# Altium PCB RaspberryHatBoard1.PcbDoc (part 1 of 3) (continued)
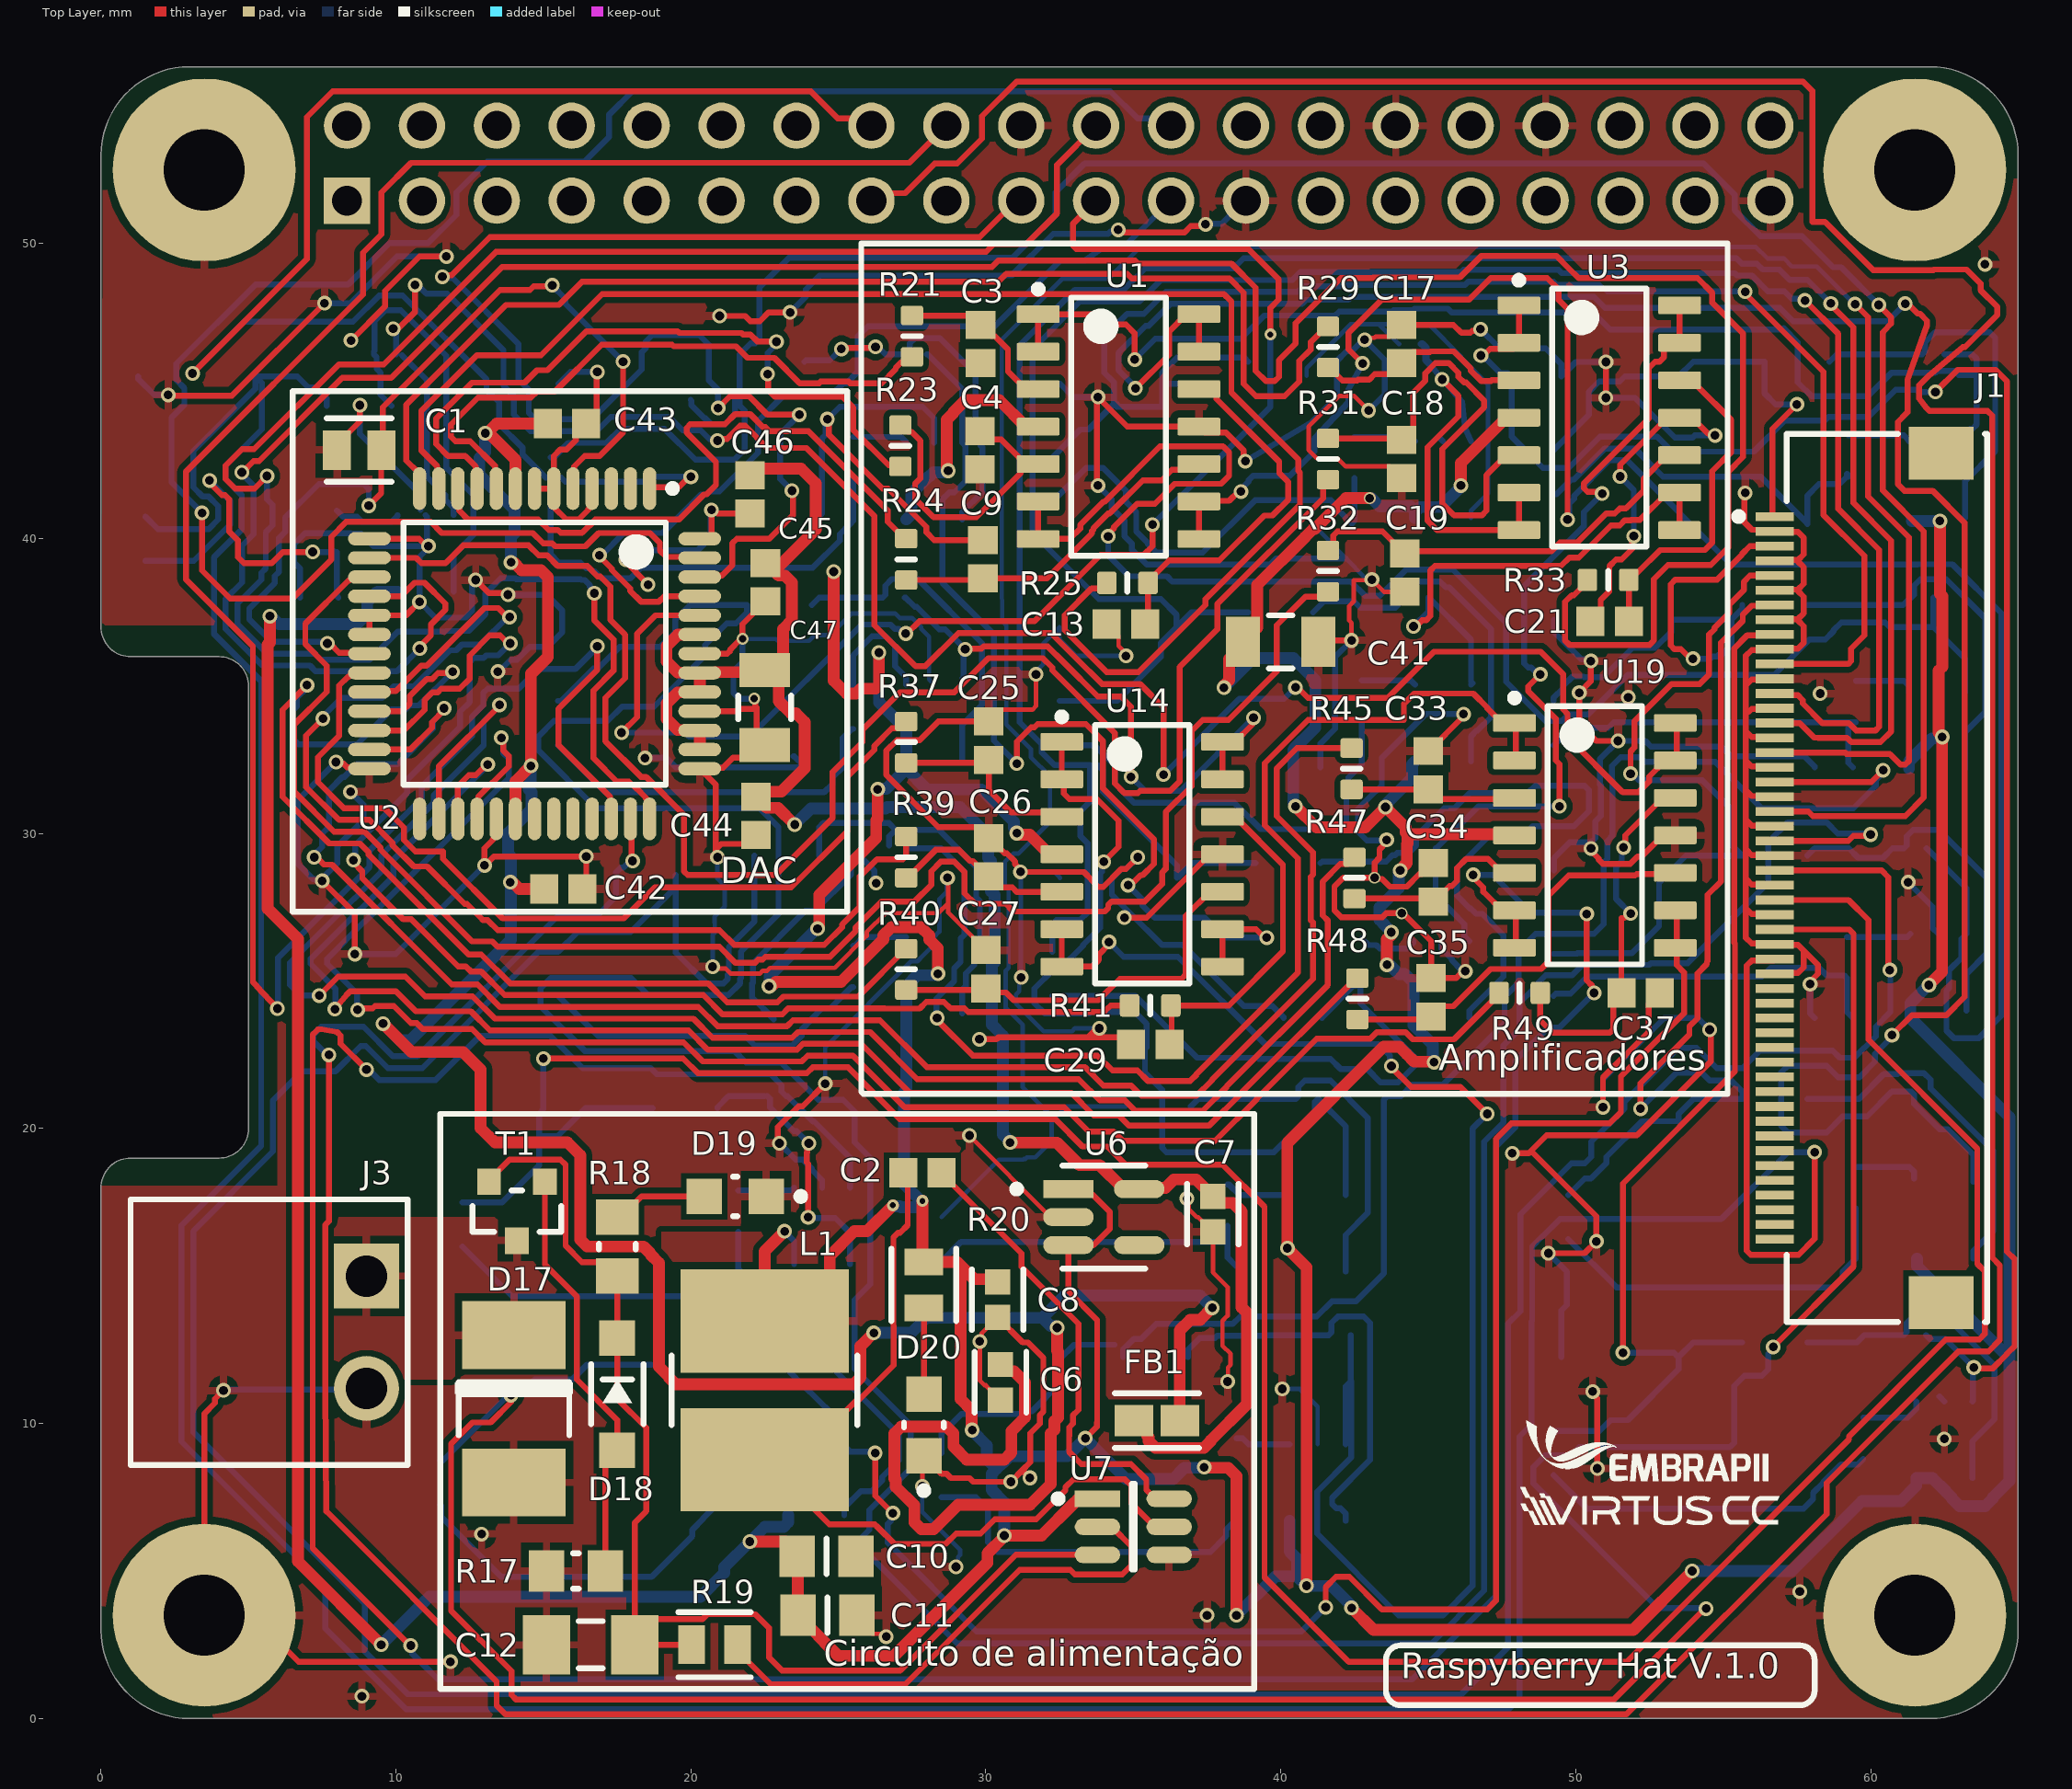
[diagram p0: Top Layer view]
## Components (designator, comment, footprint, x,y, rotation, side; value= is the part's Value field where it differs from the comment) (continued)
D6 "SMAJ5.0A" BOUR-SMA-2_V 34.5,45.25 r0 bottom
D7 "SMAJ5.0A" BOUR-SMA-2_V 34.485,37 r0 bottom
D8 "SMAJ5.0A" BOUR-SMA-2_V 34.5,28.5 r0 bottom
D9 "SMAJ5.0A" BOUR-SMA-2_V 30.25,20 r0 bottom
D10 "SMAJ5.0A" BOUR-SMA-2_V 30.5,11.75 r0 bottom
D11 "SMAJ5.0A" BOUR-SMA-2_V 17.5,45.475 r0 bottom
D12 "SMAJ5.0A" BOUR-SMA-2_V 17.625,37.25 r0 bottom
D13 "SMAJ5.0A" BOUR-SMA-2_V 17.5,28.6 r0 bottom
D14 "SMAJ5.0A" BOUR-SMA-2_V 14,20.25 r0 bottom
D15 "SMAJ5.0A" BOUR-SMA-2_V 14,11.5 r0 bottom
D16 "SMAJ5.0A" BOUR-SMA-2_V 3.25,45.5 r0 bottom
D17 "SMBJ28CAQ-13-F" DO-214AA 14,10.5 r270 top
D18 "MMSZ5245B-TP" SOD-123 17.5,11 r270 top
D19 "LTST-C170GKT" FP-LTST-C170GKT-MFG 21.5,17.7 r180 top
D20 "LTST-C170GKT" FP-LTST-C170GKT-MFG 27.9,9.95 r90 top
F1 "MF-PSMF010X-2" FP-MF-PSMF-MFG 57.5,46 r180 bottom value=1-7.5Ω
F2 "MF-PSMF010X-2" FP-MF-PSMF-MFG 56.75,37.75 r180 bottom value=1-7.5Ω
F3 "MF-PSMF010X-2" FP-MF-PSMF-MFG 56.75,29.25 r180 bottom value=1-7.5Ω
F4 "MF-PSMF010X-2" FP-MF-PSMF-MFG 56.75,21 r180 bottom value=1-7.5Ω
F5 "MF-PSMF010X-2" FP-MF-PSMF-MFG 56.75,12.75 r180 bottom value=1-7.5Ω
F6 "MF-PSMF010X-2" FP-MF-PSMF-MFG 39.775,45.525 r180 bottom value=1-7.5Ω
F7 "MF-PSMF010X-2" FP-MF-PSMF-MFG 40,37.5 r180 bottom value=1-7.5Ω
F8 "MF-PSMF010X-2" FP-MF-PSMF-MFG 40.25,29 r180 bottom value=1-7.5Ω
F9 "MF-PSMF010X-2" FP-MF-PSMF-MFG 35.85,20.75 r180 bottom value=1-7.5Ω
F10 "MF-PSMF010X-2" FP-MF-PSMF-MFG 35.75,12.25 r180 bottom value=1-7.5Ω
F11 "MF-PSMF010X-2" FP-MF-PSMF-MFG 22.75,46 r180 bottom value=1-7.5Ω
F12 "MF-PSMF010X-2" FP-MF-PSMF-MFG 23,37.75 r180 bottom value=1-7.5Ω
F13 "MF-PSMF010X-2" FP-MF-PSMF-MFG 23.25,29.25 r180 bottom value=1-7.5Ω
F14 "MF-PSMF010X-2" FP-MF-PSMF-MFG 19.8,20.7 r180 bottom value=1-7.5Ω
F15 "MF-PSMF010X-2" FP-MF-PSMF-MFG 19.75,12 r180 bottom value=1-7.5Ω
F16 "MF-PSMF010X-2" FP-MF-PSMF-MFG 8.75,44.5 r180 bottom value=1-7.5Ω
FB1 "BLM18KG601SN1D" FP-BLM18-0_15-t0_8-IPC_A 35.8,10.1 r0 top
J1 "FH28-50S-0.5SH(05)" FP-FH28-50S-0_5SH_05-MFG 60.55,28.5 r270 top
J2 "5447861" 5447861 -20,17 r270 top
J3 "5444262" 5444262 9,15 r270 top
L1 "1255AY-4R7M=P3" FP-DG6045C-MFG 22.5,11 r90 top value=4.7uH
P1 "Header" FP-PPPC202LFBN-RC-MFG 32.47,52.73 r0 bottom
R1 "SG73S1ETTP1R0J" RESC1005X40X25LL10T10 62.125,46.25 r180 bottom
R2 "SG73S1ETTP1R0J" RESC1005X40X25LL10T10 61.75,38 r180 bottom
R3 "SG73S1ETTP1R0J" RESC1005X40X25LL10T10 61.5,29.5 r180 bottom
R4 "SG73S1ETTP1R0J" RESC1005X40X25LL10T10 61.75,21.25 r0 bottom
R5 "SG73S1ETTP1R0J" RESC1005X40X25LL10T10 61.5,13 r180 bottom
R6 "SG73S1ETTP1R0J" RESC1005X40X25LL10T10 44.4,46.6 r180 bottom
R7 "SG73S1ETTP1R0J" RESC1005X40X25LL10T10 44.625,38 r180 bottom
R8 "SG73S1ETTP1R0J" RESC1005X40X25LL10T10 44.875,29.5 r180 bottom
R9 "SG73S1ETTP1R0J" RESC1005X40X25LL10T10 40.875,21 r180 bottom
R10 "SG73S1ETTP1R0J" RESC1005X40X25LL10T10 42,13 r180 bottom
R11 "SG73S1ETTP1R0J" RESC1005X40X25LL10T10 27.625,46.25 r180 bottom
R12 "SG73S1ETTP1R0J" RESC1005X40X25LL10T10 26.875,38 r180 bottom
R13 "SG73S1ETTP1R0J" RESC1005X40X25LL10T10 27.1,29.5 r180 bottom
R14 "SG73S1ETTP1R0J" RESC1005X40X25LL10T10 22.875,21.1 r180 bottom
R15 "SG73S1ETTP1R0J" RESC1005X40X25LL10T10 22.75,12.5 r180 bottom
R16 "SG73S1ETTP1R0J" RESC1005X40X25LL10T10 9.625,46.25 r180 bottom
R17 "RC0805FR-071ML" R-0805 16.1,5 r0 top value=1MR
R18 "RC0805FR-071KL" RESC2013X60X35ML10T20 17.5,16 r270 top
R19 "100k" FP-CRGCQ0805-IPC_C 20.8,2.5 r180 top value=100KΩ
R20 "470R" FP-CRGCQ0805-IPC_C 27.9,14.7 r90 top value=470Ω
R21 "Resistor 10k +/-1% 0603 100 mW" RESC0603(1608)_L 27.497,46.864 r270 top value=10k
R22 "Resistor 1k +/-1% 0603 100 mW" RESC0603(1608)_L 59.25,42.8 r90 bottom value=1k
R23 "Resistor 10k +/-1% 0603 100 mW" RESC0603(1608)_L 27.1,43.15 r90 top value=10k
R24 "Resistor 10k +/-1% 0603 100 mW" RESC0603(1608)_L 27.3,39.3 r270 top value=10k
R25 "Resistor 10k +/-1% 0603 100 mW" RESC0603(1608)_L 34.8,38.5 r0 top value=10k
R26 "Resistor 1k +/-1% 0603 100 mW" RESC0603(1608)_L 59.5,34.48 r270 bottom value=1k
R27 "Resistor 1k +/-1% 0603 100 mW" RESC0603(1608)_L 59.2,25.8 r270 bottom value=1k
R28 "Resistor 1k +/-1% 0603 100 mW" RESC0603(1608)_L 59.5,18 r270 bottom value=1k
R29 "Resistor 10k +/-1% 0603 100 mW" RESC0603(1608)_L 41.6,46.5 r270 top value=10k
R30 "Resistor 1k +/-1% 0603 100 mW" RESC0603(1608)_L 59.75,9.5 r90 bottom value=1k
R31 "Resistor 10k +/-1% 0603 100 mW" RESC0603(1608)_L 41.6,42.7 r90 top value=10k
R32 "Resistor 10k +/-1% 0603 100 mW" RESC0603(1608)_L 41.6,38.9 r90 top value=10k
R33 "Resistor 10k +/-1% 0603 100 mW" RESC0603(1608)_L 51.1,38.6 r0 top value=10k
R34 "Resistor 1k +/-1% 0603 100 mW" RESC0603(1608)_L 42.5,42.75 r90 bottom value=1k
R35 "Resistor 1k +/-1% 0603 100 mW" RESC0603(1608)_L 42.75,34.5 r90 bottom value=1k
R36 "Resistor 1k +/-1% 0603 100 mW" RESC0603(1608)_L 42.75,25.75 r90 bottom value=1k
R37 "Resistor 10k +/-1% 0603 100 mW" RESC0603(1608)_L 27.3,33.1 r270 top value=10k
R38 "Resistor 1k +/-1% 0603 100 mW" RESC0603(1608)_L 38.2,17.4 r90 bottom value=1k
R39 "Resistor 10k +/-1% 0603 100 mW" RESC0603(1608)_L 27.3,29.2 r270 top value=10k
R40 "Resistor 10k +/-1% 0603 100 mW" RESC0603(1608)_L 27.3,25.4 r270 top value=10k
R41 "Resistor 10k +/-1% 0603 100 mW" RESC0603(1608)_L 35.575,24.175 r0 top value=10k
R42 "Resistor 1k +/-1% 0603 100 mW" RESC0603(1608)_L 38.5,8.8 r90 bottom value=1k
R43 "Resistor 1k +/-1% 0603 100 mW" RESC0603(1608)_L 25.5,42.75 r90 bottom value=1k
R44 "Resistor 1k +/-1% 0603 100 mW" RESC0603(1608)_L 25.5,34.25 r90 bottom value=1k
R45 "Resistor 10k +/-1% 0603 100 mW" RESC0603(1608)_L 42.4,32.2 r270 top value=10k
R46 "Resistor 1k +/-1% 0603 100 mW" RESC0603(1608)_L 25.5,25.5 r90 bottom value=1k
R47 "Resistor 10k +/-1% 0603 100 mW" RESC0603(1608)_L 42.5,28.5 r270 top value=10k
R48 "Resistor 10k +/-1% 0603 100 mW" RESC0603(1608)_L 42.6,24.4 r270 top value=10k
R49 "Resistor 10k +/-1% 0603 100 mW" RESC0603(1608)_L 48.1,24.6 r0 top value=10k
R50 "Resistor 1k +/-1% 0603 100 mW" RESC0603(1608)_L 21.6,17.2 r90 bottom value=1k
R51 "Resistor 1k +/-1% 0603 100 mW" RESC0603(1608)_L 21.701,8.405 r90 bottom value=1k
R52 "Resistor 1k +/-1% 0603 100 mW" RESC0603(1608)_L 8,40.25 r90 bottom value=1k
T1 "DMP4065S-7" FP-SOT23-MFG 14.1,17.2 r270 top
U1 "TLV2464CDR" D0014A_N 34.5,43.8 r0 top
U2 "AD5391BSTZ-3" ST-52_L 14.7,36.1 r270 top
U3 "TLV2464CDR" D0014A_N 50.8,44.1 r0 top
U4 "INA180A2IDBVR" FP-DBV0005A-MFG 62.5,9.45 r270 bottom
U5 "INA180A2IDBVR" FP-DBV0005A-MFG 45.5,42 r270 bottom
U6 "AP2112K-3.3TRG1" FP-SOT25-IPC_A 34,17 r0 top
U7 "AP63205WU-7" TSOT-23-6_A 35,6.5 r0 top
U8 "INA180A2IDBVR" FP-DBV0005A-MFG 62.25,42 r270 bottom
U9 "INA180A2IDBVR" FP-DBV0005A-MFG 62.25,33.5 r270 bottom
U10 "INA180A2IDBVR" FP-DBV0005A-MFG 62.3,25.3 r270 bottom
U11 "INA180A2IDBVR" FP-DBV0005A-MFG 62.527,16.891 r270 bottom
U12 "INA180A2IDBVR" FP-DBV0005A-MFG 45.5,33.75 r270 bottom
U13 "INA180A2IDBVR" FP-DBV0005A-MFG 45.45,25.05 r270 bottom
U14 "TLV2464CDR" D0014A_N 35.3,29.3 r0 top
U15 "INA180A2IDBVR" FP-DBV0005A-MFG 41.25,16.45 r270 bottom
U16 "INA180A2IDBVR" FP-DBV0005A-MFG 41.25,8 r270 bottom
U17 "INA180A2IDBVR" FP-DBV0005A-MFG 28.25,41.95 r270 bottom
U18 "INA180A2IDBVR" FP-DBV0005A-MFG 28.25,33.75 r270 bottom
U19 "TLV2464CDR" D0014A_N 50.65,29.94 r0 top
U20 "INA180A2IDBVR" FP-DBV0005A-MFG 28.25,25.2 r270 bottom
U21 "INA180A2IDBVR" FP-DBV0005A-MFG 24.45,16.7 r270 bottom
U22 "INA180A2IDBVR" FP-DBV0005A-MFG 24.25,8.2 r270 bottom
U23 "INA180A2IDBVR" FP-DBV0005A-MFG 11,39.5 r270 bottom

## Footprints (in the part's own frame and the unit in brackets; to place one, negate y for a bottom-side part, rotate by r counter-clockwise, add the part's x,y. Pads: shape width x height; smd on the part's side, far side on the other; paste and mask are expansions set on the pad)
5444262 [mm]
  rect 2.2x2.2 hole 1.4: 1(0,0)
  round 2.2 hole 1.4: 2(3.81,0)
  silkscreen extent -2.6,-8 6.41,1.4, body extent -2.6,-7.95 6.41,1.35, height 7.25
5447861 [mm]
  body extent 0,0 8.41,16.1, height 7.7
BOUR-SMA-2_V [mm] "SMA, 2-Leads, Body 4.57x2.92mm"
  rect 1.27x2.1 smd: 1(-1.985,0) 2(1.985,0)
  silkscreen extent -2.3,-1.5 3.12,1.5, body extent -2.5,-1.46 2.5,1.46, height 2.62
C-0805 [mm]
  rect 1.2x1.4 smd: 1(-1,0) 2(1,0)
  silkscreen extent 0,-0.6 0,0.6, body extent -1,-0.63 1,0.63, height 0.81
C-1206 [mm]
  rect 1.6x2 smd: 1(-1.5,0) 2(1.5,0)
  silkscreen extent -0.4,-0.8 0.4,0.8, body extent -1.6,-0.8 1.6,0.8, height 1.16
CAPC1608X95X40NL15T15 [mm] "Chip Capacitor, 2-Leads, Body 1.60x0.80mm, IPC Medium Density"
  rect 0.95x1 smd: 1(-0.65,0) 2(0.65,0)
  body extent -0.88,-0.48 0.87,0.47, height 0.95
D0014A_N [mm] "SOIC, 14-Leads, Body 8.75x4mm, Pitch 1.27mm, IPC Medium Density"
  rrect17% 1.45x0.6 smd: 1(-2.725,3.81) 2(-2.725,2.54) 3(-2.725,1.27) 4(-2.725,0) 5(-2.725,-1.27) 6(-2.725,-2.54) 7(-2.725,-3.81) 8(2.725,-3.81) 9(2.725,-2.54) 10(2.725,-1.27) 11(2.725,0) 12(2.725,1.27) 13(2.725,2.54) 14(2.725,3.81)
  silkscreen extent -2.85,-4.38 1.6,4.78, body extent -3.02,-4.32 3.02,4.32, height 1.59
DO-214AA [mm]
  rect 2.3x3.5 smd mask+0.1: 1(-2.5,0) 2(2.5,0)
  silkscreen extent -0.9,-2 0.9,2, body extent -2.79,-1.97 2.79,1.98, height 2.65
FP-BLM18-0_15-t0_8-IPC_A [mm]
  rect 1.306x1.058 smd paste+0 mask+0: 1(-0.776,0) 2(0.776,0)
  silkscreen extent -1.43,-0.93 1.43,0.93, body extent -1.93,-1.03 1.93,1.03, height 0.25
FP-C0805C-DN-MFG [mm]
  rect 0.95x1.35 smd paste+0 mask+0: 1(-0.75,0) 2(0.75,0)
  silkscreen extent -1.1,-1.07 1.1,1.07, body extent -1,-0.63 1,0.63, height 0.88
FP-CRGCQ0805-IPC_C [mm]
  rect 0.906x1.31 smd paste+0 mask+0: 1(-0.776,0) 2(0.776,0)
  silkscreen extent -1.23,-1.1 1.23,1.1, body extent -1.33,-0.8 1.33,0.8, height 0.25
FP-DBV0005A-MFG [mm]
  rrect17% 1.1x0.6 smd paste+0 mask+0: 1(-1.3,0.95) 2(-1.3,0) 3(-1.3,-0.95) 4(1.3,-0.95) 5(1.3,0.95)
  silkscreen extent -2.57,-1.53 0.87,1.53, body extent -1.4,-1.45 1.4,1.45, height 1.45
FP-DG6045C-MFG [mm]
  rect 3.5x5.7 smd: 1(-2.223,0) 2(2.477,0)
  silkscreen extent -1.05,-3.15 1.3,3.15, body extent -3.12,-3.25 3.38,3.25, height 0.25
FP-FH28-50S-0_5SH_05-MFG [mm]
  rect 0.3x1.3 smd paste-1000 mask+0: 1(-12.25,-3.8) 2(-11.75,-3.8) 3(-11.25,-3.8) 4(-10.75,-3.8) 5(-10.25,-3.8) 6(-9.75,-3.8) 7(-9.25,-3.8) 8(-8.75,-3.8) 9(-8.25,-3.8) 10(-7.75,-3.8) 11(-7.25,-3.8) 12(-6.75,-3.8) 13(-6.25,-3.8) 14(-5.75,-3.8) 15(-5.25,-3.8) 16(-4.75,-3.8) 17(-4.25,-3.8) 18(-3.75,-3.8) 19(-3.25,-3.8) 20(-2.75,-3.8) 21(-2.25,-3.8) 22(-1.75,-3.8) 23(-1.25,-3.8) 24(-0.75,-3.8) 25(-0.25,-3.8) 26(0.25,-3.8) 27(0.75,-3.8) 28(1.25,-3.8) 29(1.75,-3.8) 30(2.25,-3.8) 31(2.75,-3.8) 32(3.25,-3.8) 33(3.75,-3.8) 34(4.25,-3.8) 35(4.75,-3.8) 36(5.25,-3.8) 37(5.75,-3.8) 38(6.25,-3.8) 39(6.75,-3.8) 40(7.25,-3.8) 41(7.75,-3.8) 42(8.25,-3.8) 43(8.75,-3.8) 44(9.25,-3.8) 45(9.75,-3.8) 46(10.25,-3.8) 47(10.75,-3.8) 48(11.25,-3.8) 49(11.75,-3.8) 50(12.25,-3.8)
  rect 1.8x2.2 smd paste+0 mask+0: 51(-14.4,1.85) 52(14.4,1.85)
  silkscreen extent -15.05,-5.15 15.05,3.4, body extent -14.95,-3.15 14.95,3.25, height 5.6
FP-GRM31C-0_2-e0_3_0_8-IPC_C [mm]
  rect 1.155x1.706 smd paste+0 mask+0: 1(-1.276,0) 2(1.276,0)
  silkscreen extent -0.4,-0.9 0.4,0.9, body extent -1.6,-0.8 1.6,0.8, height 1.8
FP-GRM188-0_15-IPC_C [mm]
  rect 0.856x0.858 smd paste+0 mask+0: 1(-0.601,0) 2(0.601,0)
  silkscreen extent -1.03,-0.87 1.03,0.87
FP-LTST-C170GKT-MFG [mm]
  rect 1.2x1.2 smd paste+0 mask+0: 1(-1.05,0) 2(1.05,0)
  silkscreen extent -2.35,-0.67 0.08,0.67, body extent -1,-0.63 1,0.63, height 1.2
FP-MF-PSMF-MFG [mm]
  rect 1x1.5 smd paste+0 mask+0: 1(-1.1,0) 2(1.1,0)
  silkscreen extent -0.23,-0.75 0.23,0.75, body extent -1.07,-0.67 1.07,0.67, height 0.85
FP-PPPC202LFBN-RC-MFG [mm]
  rect 1.57x1.57 hole 1.02 paste-2539.97 mask+0: 1(-24.13,1.27)
  round 1.57 hole 1.02 paste-2539.97 mask+0: 2(-24.13,-1.27) 3(-21.59,1.27) 4(-21.59,-1.27) 5(-19.05,1.27) 6(-19.05,-1.27) 7(-16.51,1.27) 8(-16.51,-1.27) 9(-13.97,1.27) 10(-13.97,-1.27) 11(-11.43,1.27) 12(-11.43,-1.27) 13(-8.89,1.27) 14(-8.89,-1.27) 15(-6.35,1.27) 16(-6.35,-1.27) 17(-3.81,1.27) 18(-3.81,-1.27) 19(-1.27,1.27) 20(-1.27,-1.27) 21(1.27,1.27) 22(1.27,-1.27) 23(3.81,1.27) 24(3.81,-1.27) 25(6.35,1.27) 26(6.35,-1.27) 27(8.89,1.27) 28(8.89,-1.27) 29(11.43,1.27) 30(11.43,-1.27) 31(13.97,1.27) 32(13.97,-1.27) 33(16.51,1.27) 34(16.51,-1.27) 35(19.05,1.27) 36(19.05,-1.27) 37(21.59,1.27) 38(21.59,-1.27) 39(24.13,1.27) 40(24.13,-1.27)
  silkscreen extent -25.83,-2.64 25.83,3.24, body extent -25.65,-2.54 25.65,2.54, height 8.7
FP-SOT23-MFG [mm]
  rect 0.9x0.8 smd paste+0 mask+0: 1(-1,0.95) 2(-1,-0.95) 3(1,0)
  silkscreen extent -0.7,-1.5 0.7,1.5, body extent -1.55,-1.6 1.55,1.6, height 0.25
FP-SOT25-IPC_A [mm]
  rect 1.707x0.616 smd paste+0 mask+0: 1(-1.201,0.95)
  rrect100% 1.707x0.616 smd paste+0 mask+0: 2(-1.201,0) 3(-1.201,-0.95) 4(1.201,-0.95) 5(1.201,0.95)
  silkscreen extent -3.08,-1.75 1.4,1.75, body extent -2.55,-2 2.55,2, height 0.25
R-0805 [mm]
  rect 1.2x1.4 smd: 1(-1,0) 2(1,0)
  silkscreen extent -0.1,-0.6 0.1,0.6, body extent -1.05,-0.67 1.05,0.68, height 0.6
RESC0603(1608)_L [mm] "Chip Resistor, Body 1.6x0.8mm, IPC High Density"
  rrect25% 0.66x0.76 smd: 1(-0.7,0) 2(0.7,0)
  silkscreen extent 0,-0.3 0,0.3, body extent -0.8,-0.4 0.8,0.4, height 0.45
RESC1005X40X25LL10T10 [mm] "Chip Resistor, 2-Leads, Body 1.00x0.50mm, IPC High Density"
  rect 0.55x0.5 smd: 1(-0.375,0) 2(0.375,0)
  body extent -0.55,-0.3 0.55,0.3, height 0.4
RESC2013X60X35ML10T20 [mm] "Chip Resistor, 2-Leads, Body 2.1x1.35mm, IPC Low Density"
  rect 1.2x1.45 smd: 1(-1,0) 2(1,0)
  silkscreen extent -0.1,-0.63 0.1,0.63, body extent -1.05,-0.68 1.05,0.67, height 0.6
SOD-123 [mm] "On Semi recommended land pattern"
  rect 1.2x1.22 smd: 1(-1.905,0) 2(1.905,0)
  silkscreen extent -1.02,-0.89 1.02,0.89, body extent -1.93,-0.9 1.93,0.9, height 1.35
ST-52_L [mm] "Thin QFP, 52-Leads, Body 10 x 10mm, Pitch 0.65mm, IPC High Density"
  oval 1.45x0.45 smd: 1(-5.6,3.9) 2(-5.6,3.25) 3(-5.6,2.6) 4(-5.6,1.95) 5(-5.6,1.3) 6(-5.6,0.65) 7(-5.6,0) 8(-5.6,-0.65) 9(-5.6,-1.3) 10(-5.6,-1.95) 11(-5.6,-2.6) 12(-5.6,-3.25) 13(-5.6,-3.9) 27(5.6,-3.9) 28(5.6,-3.25) 29(5.6,-2.6) 30(5.6,-1.95) 31(5.6,-1.3) 32(5.6,-0.65) 33(5.6,0) 34(5.6,0.65) 35(5.6,1.3) 36(5.6,1.95) 37(5.6,2.6) 38(5.6,3.25) 39(5.6,3.9)
  oval 0.45x1.45 smd: 14(-3.9,-5.6) 15(-3.25,-5.6) 16(-2.6,-5.6) 17(-1.95,-5.6) 18(-1.3,-5.6) 19(-0.65,-5.6) 20(0,-5.6) 21(0.65,-5.6) 22(1.3,-5.6) 23(1.95,-5.6) 24(2.6,-5.6) 25(3.25,-5.6) 26(3.9,-5.6) 40(3.9,5.6) 41(3.25,5.6) 42(2.6,5.6) 43(1.95,5.6) 44(1.3,5.6) 45(0.65,5.6) 46(0,5.6) 47(-0.65,5.6) 48(-1.3,5.6) 49(-1.95,5.6) 50(-2.6,5.6) 51(-3.25,5.6) 52(-3.9,5.6)
  silkscreen extent -5.72,-4.45 4.45,4.8, body extent -5,-5 5,5, height 1.2
TP06R [mm] "Testpoint, round, d=0.6mm"
  round 0.6 smd paste-1: 1(0,0)
TSOT-23-6_A [mm]
  rect 1.54x0.566 smd paste+0 mask+0: 1(-1.216,0.95)
  rrect100% 1.54x0.566 smd paste+0 mask+0: 2(-1.216,0) 3(-1.216,-0.95) 4(1.216,-0.95) 5(1.216,0) 6(1.216,0.95)
  silkscreen extent -2.67,-1.45 0.05,1.45, body extent -2.49,-1.95 2.49,1.95, height 0.25

## Part data
C1: library part CMP-2007-00279-2, "CAP CER 0.1UF 50V X7R 0805", Capacitance="0.10 μF", Manufacturer=KEMET, Package=C0805C-DN, Temperature="-55°C to +125°C", Temperature Characteristic=X7R, Temperature Coefficient=30ppm/°C, Temperature Range High=+125°C, Temperature Range Low=-55°C, Tolerance=0.1, Voltage Rating="50 V", Automotive=No, Category=Cap, ComponentLink2Description=Datasheet, ComponentLink2URL=https://content.kemet.com/datasheets/KEM_C1003_C0G_SMD.pdf, Device Class L1="Passive Components", Device Class L2=Capacitors, Device Class L3="Ceramic Capacitors", Digikey Description="CAP CER 0.1UF 50V X7R 0805", Height=0.88mm, Ipc Land Pattern Name=CAPC200125X78, Lead Free=Yes, Manufacturer Part Number=C0805C104K5RACTU, Material=Ceramic, Mouser Description="Cap Ceramic 0.1uF 50V X7R 10% SMD 2.0 x 1.2 mm 125 C Paper T/R", Octopart=https://octopart.com/c0805c104k5ractu-kemet-143926, RoHS=TRUE
C2 C3 C4 C5 C9 C13 C14 C15 C16 C17 C18 C19 C20 C21 C22 C23 C24 C25 C26 C27 C28 C29 C30 C31 C32 C33 C34 C35 C36 C37 C38 C39 C40: library part CMP-2006-00058-1, Manufacturer=Vitramon, Part Number=VJ0603Y104MXJCW1BC
C6 C7 C8: library part CMP-06035-033844-1, "Chip Multilayer Ceramic Capacitors for General Purpose, 0603, 10uF, X5R, 15%, 20%, 10V", Capacitance=10uF, Dielectric=X5R, Tolerance=20%, Voltage Rating (DC)=10V, Length=1.6mm, Thickness=800um, Width=800um
C10 C11: "CAP CER 22UF 25V X5R 0805", Case/Package=0805, Dielectric=X5R, Manufacturer=Samsung, Max Operating Temperature=85°C, Min Operating Temperature=-55°C, Supplier Part Number=1276-CL21A226MAYNNNECT-ND, Supplier Part Number 1=187-CL21A226MAYNNNE, Tolerance=20%, Voltage Rating=25V, Category="Ceramic Capacitors", ComponentLink1Description=https://datasheet.octopart.com/CL21A226MAYNNNE-Samsung-Electro-Mechanics-datasheet-149154243.pdf?src-supplier=Future+Electronics, ComponentLink1URL=https://datasheet.octopart.com/CL21A226MAYNNNE-Samsung-Electro-Mechanics-datasheet-149154243.pdf?src-supplier=Future+Electronics, ComponentLink2Description=https://datasheet.octopart.com/CL21A226MAYNNNE-Samsung-datasheet-8326407.pdf?src-supplier=TME, ComponentLink2URL=https://datasheet.octopart.com/CL21A226MAYNNNE-Samsung-datasheet-8326407.pdf?src-supplier=TME, Height=1.45mm, Manufacturer Part Number=CL21A226MAYNNNE, Material=4241ConductorMaterial, Pricing="1=0,11, 10=0,066, 50=0,044, 100=0,043 (USD)", RoHS=Yes, RoHS Compliant=Yes, Stock=120266, Supplier=Digikey, Supplier 1=Mouser, Supplier 2=Digikey, Supplier Part Number 2=1276-CL21A226MAYNNNECT-ND, Voltage Rating (DC)=25V
C12: "CAP CER 10UF 50V X5R 1206", Case Code (Imperial)=1206, Case Code (Metric)=3216, Dielectric=X5R, Manufacturer=Samsung, Max Operating Temperature=85°C, Min Operating Temperature=-55°C, Package Quantity=1, Supplier Part Number=1276-2876-1-ND, Supplier Part Number 1=187-CL31A106KBHNNNE, Tolerance=10%, Voltage Rating=50V, Case/Package=1206, Category="Ceramic Capacitors", ComponentLink1Description=https://datasheet.ciiva.com/25726/cl31a106kbhnnne-25726404.pdf?src-supplier=Digikey, ComponentLink1URL=https://datasheet.ciiva.com/25726/cl31a106kbhnnne-25726404.pdf?src-supplier=Digikey, ComponentLink2Description=https://datasheet.ciiva.com/15216/getdatasheetpartid-353196-15216238.pdf?src-supplier=Verical, ComponentLink2URL=https://datasheet.ciiva.com/15216/getdatasheetpartid-353196-15216238.pdf?src-supplier=Verical, ComponentLink3Description=https://datasheet.ciiva.com/29201/452492-da-01-en-vs-kondensator-1206-29201107.pdf?src-supplier=Conrad, ComponentLink3URL=https://datasheet.ciiva.com/29201/452492-da-01-en-vs-kondensator-1206-29201107.pdf?src-supplier=Conrad, ComponentLink4Description=https://datasheet.ciiva.com/16437/cl05b104kq5nnnc-16437222.pdf?src-supplier=Future+Electronics, ComponentLink4URL=https://datasheet.ciiva.com/16437/cl05b104kq5nnnc-16437222.pdf?src-supplier=Future+Electronics, Construction=Flat, Depth=1.6mm, Height=1.6mm, Lead Free="Lead Free", Length=3.2mm, Manufacturer Part Number=CL31A106KBHNNNE, Material=Ceramic, Mounting Technology="Surface Mount", Packaging="Tape and Reel", Pricing="1=0,11, 10=0,07 (USD)", Radiation Hardening=No, RoHS=Yes, RoHS Compliant=Yes, Series=CL, Stock=133875, Supplier=Digikey, Supplier 1=Mouser, Supplier 2=Digikey, Supplier Part Number 2=1276-2876-2-ND, Thickness=0.071inch, Voltage Rating (DC)=50V, Width=0.063inch
C41 C47: library part CMP-2000-06344-2, "Chip Multilayer Ceramic Capacitors for General Purpose, 1206, 47uF, X5R, 15%, 20%, 6.3V", Capacitance=47uF, Case Code (Imperial)=1206, Case Code (Metric)=3216, Dielectric=X5R, Max Operating Temperature=85°C, Min Operating Temperature=-55°C, Package Quantity=2000, Tolerance=20%, Voltage=6.3V, Case/Package=1206, Depth=1.6mm, Height=1.6mm, Lead Free="Lead Free", Length=3.2mm, Material=Ceramic, Mount="Surface Mount", Packaging="Tape and Reel", Radiation Hardening=No, REACH SVHC="No SVHC", Termination=SMD/SMT, Thickness=0.071inch, Voltage Rating=6.3V, Voltage Rating (DC)=6.3V, Width=0.063inch